# Altium PCB SmallHat_V2.PcbDoc (part 1 of 2)
Units mil, origin at the board's own origin, x right, y up, seen from the top; angles counter-clockwise.
Board outline 2559.06 x 2204.72 mil, 2 copper layers (Top Layer, Bottom Layer); 83 components, 99 nets, 402 pads, 279 vias.
Unrouted connection lines stored in the file: 1.
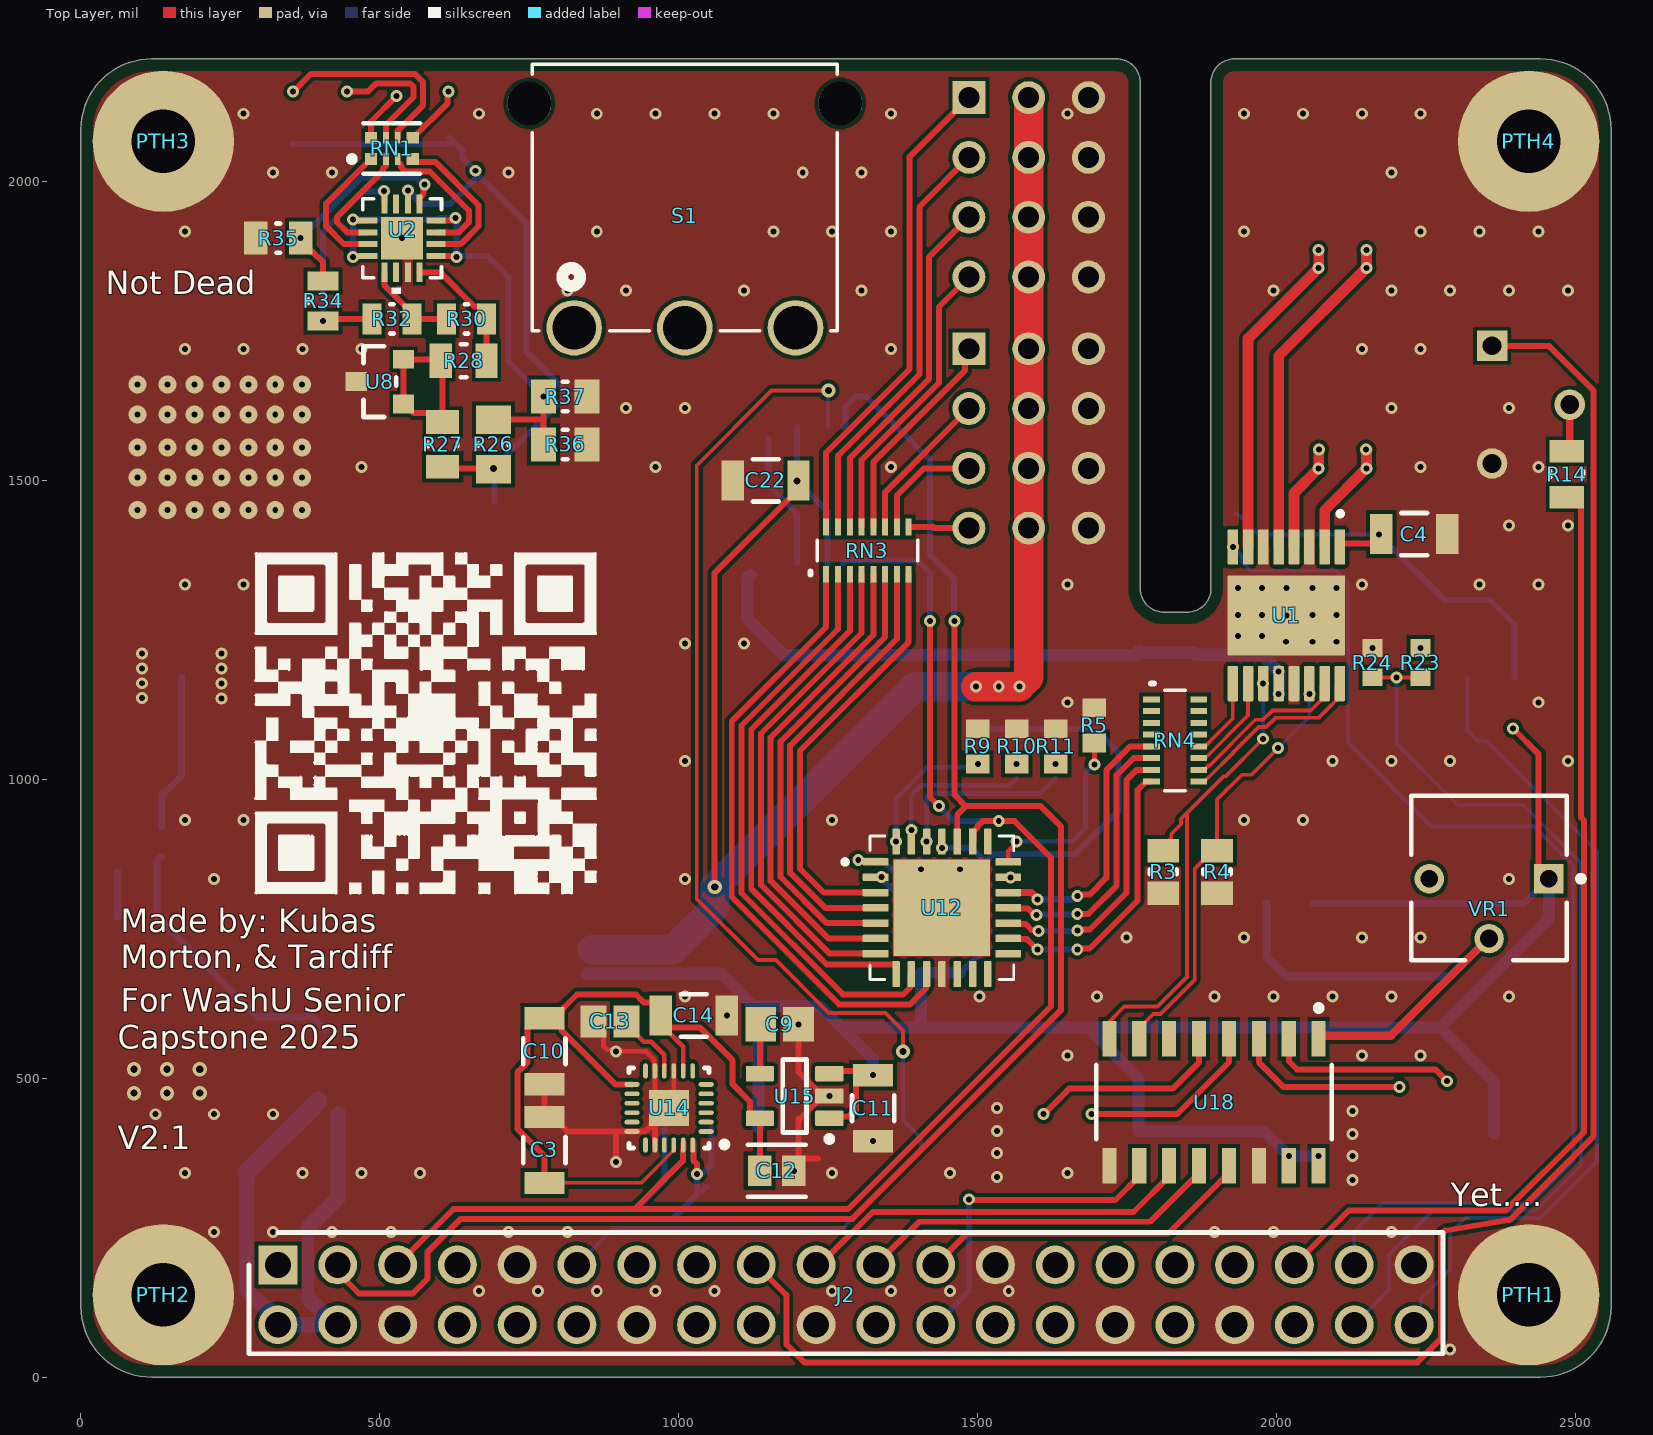
[diagram p0: Top Layer view]
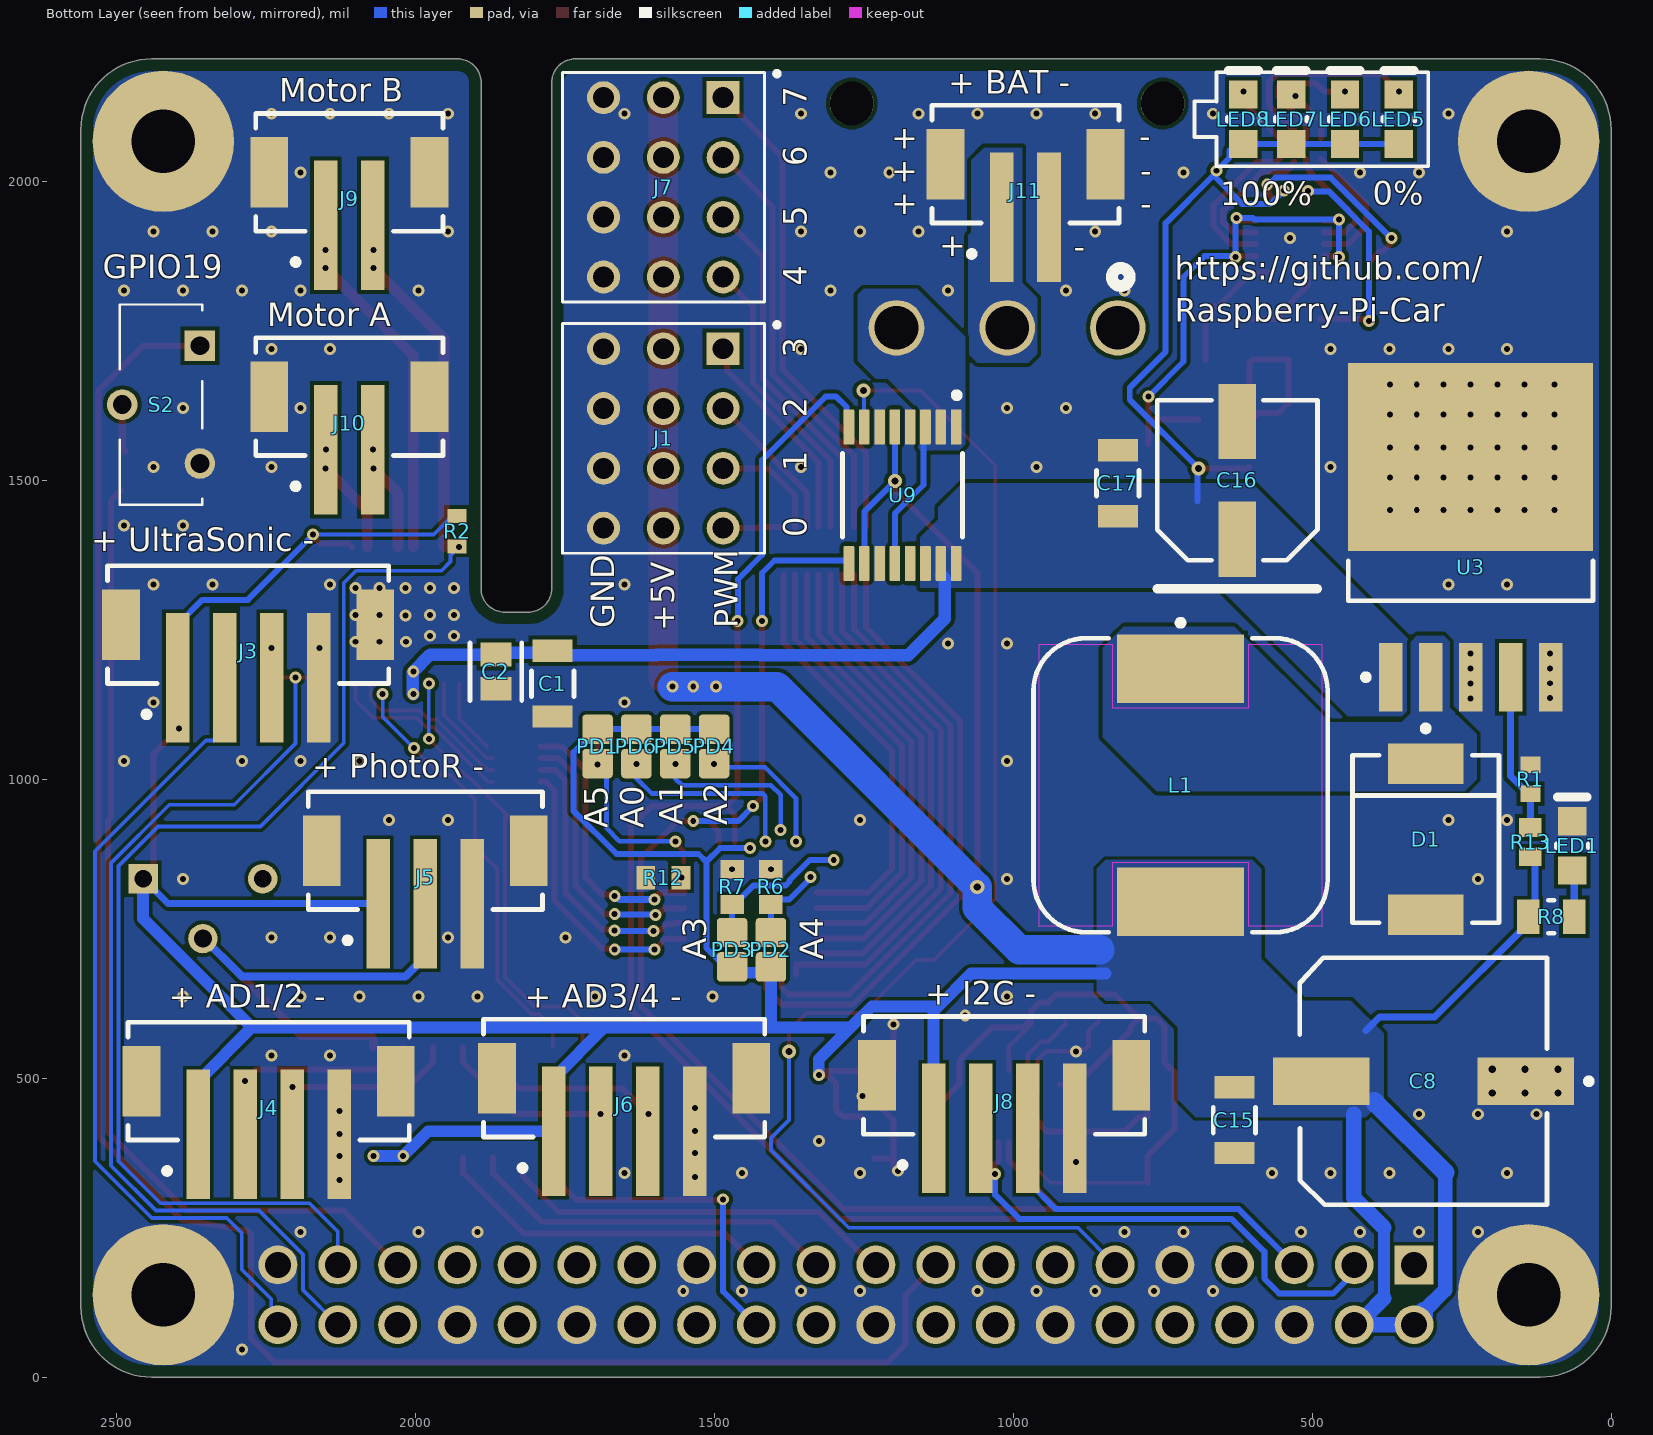
[diagram p1: Bottom Layer view, seen from below]
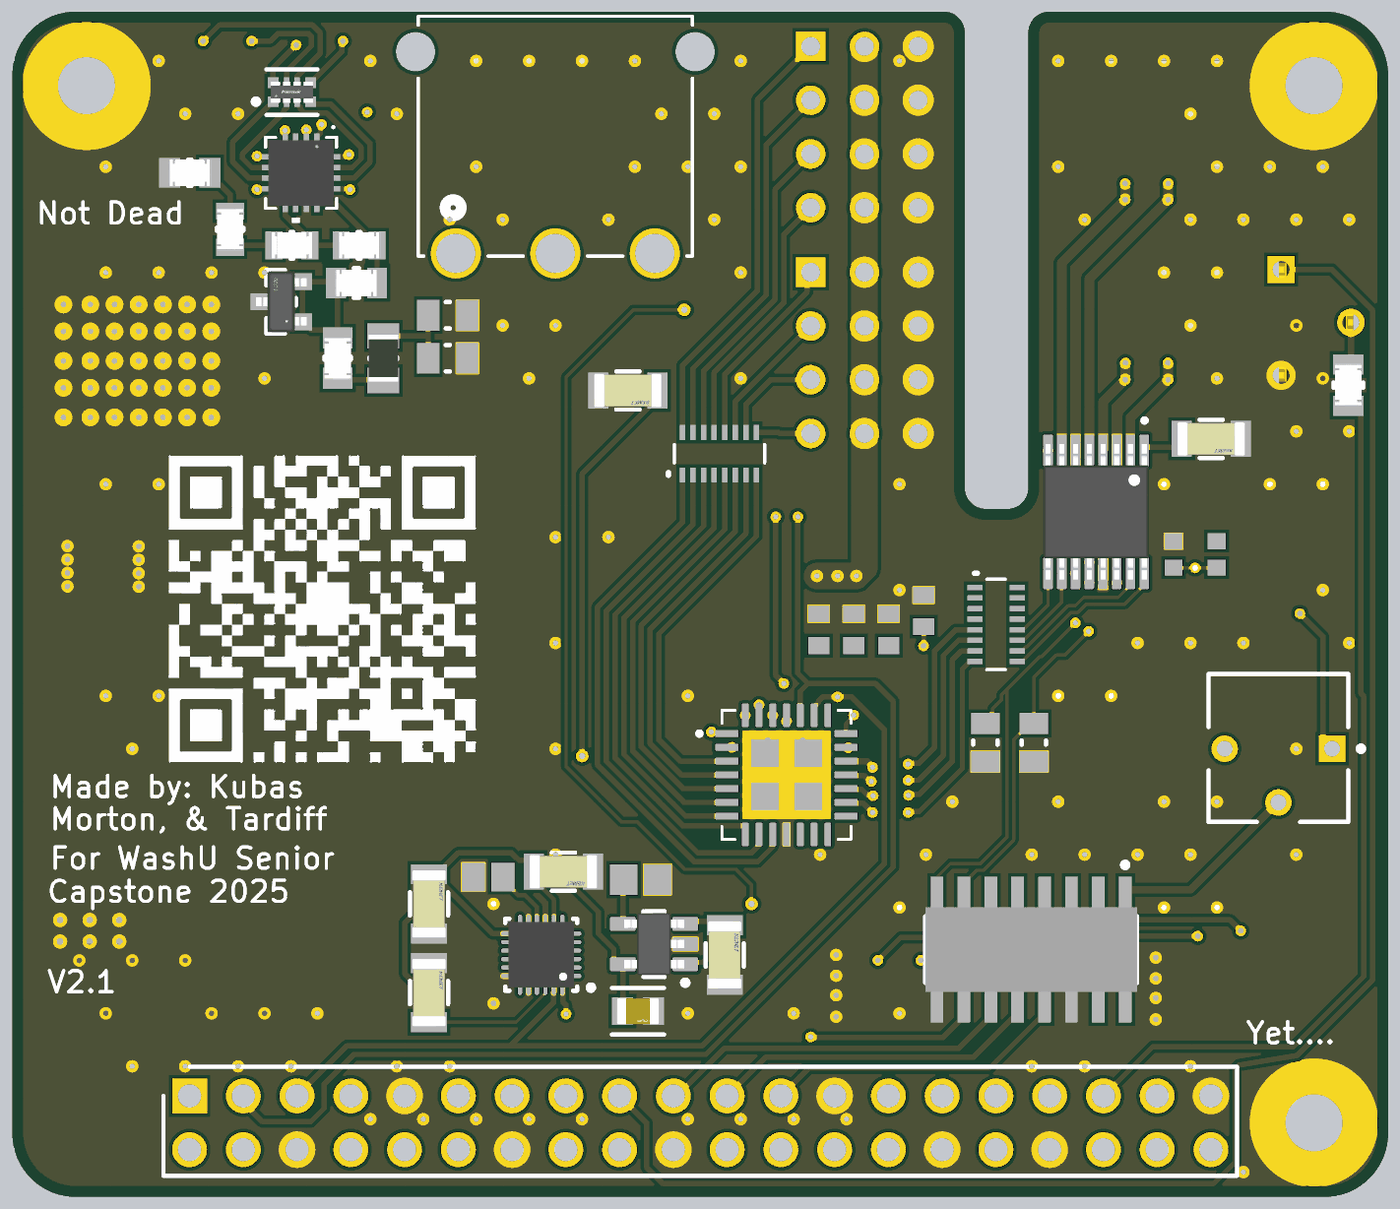
[diagram p3: 3D render of the assembled board from above, using the file's embedded part models]

## Layer stack, top to bottom
Top Solder: solder mask 0.4, Solder Resist, Dk 3.5
Top Layer: signal copper 1.4
Dielectric 1: dielectric 12.6, FR-4, Dk 4.8
Bottom Layer: signal copper 1.4
Bottom Solder: solder mask 0.4, Solder Resist, Dk 3.5

## Board outline
0,118.11 ccw(c118.11,118.11) 118.11,0 2440.94,0 ccw(c2440.94,118.11) 2559.06,118.11 2559.06,2086.61 ccw(c2440.94,2086.61) 2440.94,2204.72 1929.13,2204.72 ccw(c1929.13,2165.35) 1889.76,2165.35 1889.76,1318.9 cw(c1850.39,1318.9) 1850.39,1279.53 1811.02,1279.53 cw(c1811.02,1318.9) 1771.65,1318.9 1771.65,2165.35 ccw(c1732.28,2165.35) 1732.28,2204.72 118.11,2204.72 ccw(c118.11,2086.61) 0,2086.61

## Design rules (kind name [scope] priority, off if disabled: settings)
BoardOutlineClearance [All] p1: gap=20 ignorepadtopadclearanceinfootprint=FALSE
Clearance [All] p1: gap=6.3 ignorepadtopadclearanceinfootprint=FALSE except(4: Arc-SMDPad Track-SMDPad SMDPad-SMDPad; 6: Arc-Arc Arc-Track Track-Track)
HoleSize [All] p1: absolutevalues=TRUE maxlimit=262.6 minlimit=1 maxpercent=80.000 minpercent=20.000
MinimumSolderMaskSliver [All] p1: minsoldermaskwidth=1.97
PlaneConnect [All] p1: planeconnectstyle=Direct reliefexpansion=20 reliefentries=4 reliefconductorwidth=10 reliefairgap=10
PolygonConnect [All] p1: connectstyle=Direct reliefconductorwidth=10 reliefentries=4 polygonreliefangle="90 Angle" airgapwidth=10
RoutingVias [All] p1: holewidth=10 width=20 viastyle="Through Hole" minholewidth=10 minwidth=20 maxholewidth=248.03 maxwidth=314.96
SilkToSolderMaskClearance [IsPad] p1: minsilkscreentomaskgap=5.91 clearancetoexposedcopper=TRUE
SolderMaskExpansion [All] p1: expansion=1.5 istentingtop=FALSE
SupplyNets "Schematic Supply Nets_3" [InNet('5V')] p1: voltage=0.000
SupplyNets "Schematic Supply Nets_2" [InNet('GND')] p2: voltage=0.000
SupplyNets "Schematic Supply Nets_1" [InNet('BM+')] p3: voltage=0.000
SupplyNets "Schematic Supply Nets" [InNet('3.3V')] p4: voltage=0.000
Width [All] p1: maxlimit=78.74 minlimit=3.94 preferedwidth=10
26 further rules are at their usual default settings.

## Components (designator, comment, footprint, x,y, rotation, side; value= is the part's Value field where it differs from the comment)
C1 "0.1uF" FP-C1206C-EB-MFG 1770,1160 r270 bottom value="0.10 μF"
C2 "10uF" FP-GRM21B-0_15-IPC_C 1865,1180 r270 bottom
C3 "0.1uF" FP-C1206C-EB-MFG 775,380 r270 top value="0.10 μF"
C4 "0.1uF" FP-C1206C-EB-MFG 2230,1410 r180 top value="0.10 μF"
C8 "220uF" FP-FKG-MFG 313.74,495 r0 bottom
C9 "10nF" CAPC2013X100X50NL20T25 1168.62,590.28 r180 top
C10 "0.1uF" FP-C1206C-EB-MFG 775,545 r270 top value="0.10 μF"
C11 "0.1uF" FP-C1206C-EB-MFG 1325,450 r270 top value="0.10 μF"
C12 "10uF" FP-GRM21B-0_15-IPC_C 1163.62,345.28 r0 top
C13 "1uF" CAPC2013X140X50LL20T25 885,595 r180 top
C14 "0.1uF" FP-C1206C-EB-MFG 1025,605 r180 top value="0.10 μF"
C15 "0.1uF" FP-C1206C-EB-MFG 630,430 r270 bottom value="0.10 μF"
C16 "100uF" PNSC-FK-V-D8_V 625,1500 r90 bottom
C17 "0.1uF" FP-C1206C-EB-MFG 825,1495 r90 bottom value="0.10 μF"
C22 "0.1uF" FP-C1206C-EB-MFG 1145,1500 r180 top value="0.10 μF"
D1 "SS34-E3/57T" FP-95402-MFG 310,900 r270 bottom
J1 "5-103817-2" TE_5-103817-2 1585,1570 r270 bottom
J2 "PRT-16764" RHDR40W64P254_2X20_5130X500X1375P 1279.53,137.8 r0 top locked
J3 "B4B-PH-SM4-TB" FP-B4B-PH-SM4-TB-MFG 2279.37,1258.58 r180 bottom
J4 "B4B-PH-SM4-TB" FP-B4B-PH-SM4-TB-MFG 2245,495 r180 bottom
J5 "B3B-PH-SM4-TBT(LF)(SN)" FP-B3B-PH-SM4-TBT_LF_SN-MFG 1983.05,880.66 r180 bottom
J6 "B4B-PH-SM4-TB" FP-B4B-PH-SM4-TB-MFG 1650.55,500 r180 bottom
J7 "5-103817-2" TE_5-103817-2 1585,1990 r270 bottom
J8 "B4B-PH-SM4-TB" FP-B4B-PH-SM4-TB-MFG 1015,505 r180 bottom
J9 "B2B-PH-SM4-TB(LF)(SN)" FP-B2B-PH-SM4-TB_LF_SN-MFG 2110,2015 r180 bottom
J10 "B2B-PH-SM4-TB(LF)(SN)" FP-B2B-PH-SM4-TB_LF_SN-MFG 2110,1640 r180 bottom
J11 "B2B-PH-SM4-TB(LF)(SN)" FP-B2B-PH-SM4-TB_LF_SN-MFG 979.37,2028.58 r180 bottom
L1 "744770147" WE-PD_1280 720,990 r0 bottom
LED1 "HSMS-C170" HSMS-C170-Footprint-1 65,930 r270 bottom
LED5 "HSMS-C170" HSMS-C170-Footprint-1 355,2145 r270 bottom
LED6 "HSMS-C170" HSMS-C170-Footprint-1 445,2145 r270 bottom
LED7 "HSMS-C170" HSMS-C170-Footprint-1 535,2145 r270 bottom
LED8 "HSMS-C170" HSMS-C170-Footprint-1 615,2145 r270 bottom
PD1 "0805 Solder pads, 51mil x 28mil, Gap 47 mil" "0805 Solder Pads" 1695,1055 r90 bottom
PD2 "0805 Solder pads, 51mil x 28mil, Gap 47 mil" "0805 Solder Pads" 1405,715 r270 bottom
PD3 "0805 Solder pads, 51mil x 28mil, Gap 47 mil" "0805 Solder Pads" 1470,715 r270 bottom
PD4 "0805 Solder pads, 51mil x 28mil, Gap 47 mil" "0805 Solder Pads" 1500,1055 r90 bottom
PD5 "0805 Solder pads, 51mil x 28mil, Gap 47 mil" "0805 Solder Pads" 1565,1055 r90 bottom
PD6 "0805 Solder pads, 51mil x 28mil, Gap 47 mil" "0805 Solder Pads" 1630,1055 r90 bottom
PTH1 "Mounting Hole (2.7/6 mm)" "New footprint 1"#1 2470.75,137.8 r0 top
PTH2 "Mounting Hole (2.7/6 mm)" "New footprint 1"#2 80.75,-769.25 r0 top
PTH3 "Mounting Hole (2.7/6 mm)" "New footprint 1"#3 80.75,1110.75 r0 top
PTH4 "Mounting Hole (2.7/6 mm)" "New footprint 1"#4 2350.75,1130.75 r0 top
R1 "ERJ-3EKF3741V" RESC1608X55X30LL15T15 135,1000 r90 bottom
R2 "10k" RESC1608X55X25LL10T15 1930,1415 r270 bottom
R3 "12.4k" RESC2013X60X35NL10T20 1810,845 r90 top
R4 "12.4k" RESC2013X60X35NL10T20 1900,845 r90 top
R5 "10k" RESC1608X55X25ML10T15 1695,1090 r270 top
R6 "10k" RESC1608X55X25ML10T15 1405,820 r270 bottom
R7 "10k" RESC1608X55X25ML10T15 1470,820 r270 bottom
R8 "2K" FP-CRCW0805-e3-MFG 100,770 r180 bottom
R9 "10k" RESC1608X55X25ML10T15 1500,1055 r270 top
R10 "10k" RESC1608X55X25ML10T15 1565,1055 r270 top
R11 "10k" RESC1608X55X25ML10T15 1630,1055 r270 top
R12 "10k" RESC1608X55X25ML10T15 1585,835 r180 bottom
R13 "1.13k" RESC1609X50X30NL10T20 135,895 r90 bottom
R14 "2K" FP-CRCW0805-e3-MFG 2485,1510 r270 top
R23 "1k" RESC1609X55X30LL10T20 2240,1195 r270 top
R24 "2k" RESC1609X55X30LL10T20 2160,1195 r90 top
R26 "36K" RESC2113X50X35ML15T15 690,1560 r270 top
R27 "2K" FP-CRCW0805-e3-IPC_B 605,1560 r90 top
R28 "27K" FP-CRCW0805-e3-MFG 640,1700 r0 top
R30 "3K" FP-CRCW0805-e3-IPC_C 645,1770 r180 top
R32 "3K" FP-CRCW0805-e3-IPC_C 520,1770 r180 top
R34 "3K" FP-CRCW0805-e3-IPC_C 405,1800 r90 top
R35 "33K" FP-CRCW0805-e3-IPC_B 330,1905 r180 top
R36 "18K" RESC2013X50X30NL20T20 810,1560 r180 top
R37 "18K" RESC2013X50X30NL20T20 810,1640 r180 top
RN1 "EXB-28V103JX" FP-EXB28V-MFG 520,2055 r0 top
RN3 "YC248-JR-07100RL" YC248-JR-07100RL-Footprint-2 1246.45,1342.84 r90 top value=100
RN4 "YC248-JR-07100RL" YC248-JR-07100RL-Footprint-2 1790.32,1133.74 r0 top value=100
S1 "1101M2S3AQE2" 1101M2S3AQE2-Footprint-1 824.92,1755 r180 top
S2 "CL-SB-12C-02" CL-SB-12C-02-Footprint-1 2360,1725 r270 bottom
U1 "DRV8411APWPR" IC_DRV8411APWPR 2016.02,1274.17 r270 top
U2 "LM324QT" LM324QT-Footprint-1 537,1904.84 r270 top
U3 "LM2596S-ADJ" TS5B_L 235,1405 r90 bottom
U8 "TL431ASA-7" FP-SOT23-MFG 500,1665 r180 top
U9 "INA260AIPWR" FP-PW0016A-MFG 1185,1475 r270 bottom
U12 "PCA9685BS,118" QFN65P600X600X100-29N 1440,785 r0 top
U14 "ICM-20948" TDK-QFN-24_L 983.62,450.28 r180 top
U15 "TPS79318DBVR" DBV0005A_M 1193.62,470.28 r180 top
U18 "MCP3008T-I/SL" FP-C04-108-MFG 1895,460 r270 top
VR1 "3362P-1-103LF" BOUR-3362P 2355,835 r180 top

## Footprints (in the part's own frame and the unit in brackets; to place one, negate y for a bottom-side part, rotate by r counter-clockwise, add the part's x,y. Pads: shape width x height; smd on the part's side, far side on the other; paste and mask are expansions set on the pad)
"0805 Solder Pads" [mil] "0805 Solder Pads, 51mil x 28mil, Gap 47mil"
  rrect25% 49.21x51 smd: 1(-28.76,0) 2(28.75,0)
1101M2S3AQE2-Footprint-1 [mil]
  round 93 / inner round 60 / far side round 93 hole 73 paste-99999 mask+0: 1(0,0) 2(-185.04,0) 3(-370.08,0)
  round 73 / inner round 60 / far side round 73 hole 73 unplated paste-99999 mask-36.5: 4(-445.08,-375.2) 5(75,-375.2)
  silkscreen extent -440,-441 70,5
BOUR-3362P [mm] "THD, 3-Leads, Body 6.6x6.99mm, Pitch 2.54mm"
  rect 1.25x1.25 hole 0.75: 1(-2.54,0.035)
  round 1.25 hole 0.75: 2(0,2.575) 3(2.54,0.035)
  silkscreen extent -4.03,-3.49 3.3,3.5, body extent -3.3,-3.49 3.3,3.49, height 4.95
CAPC2013X100X50NL20T25 [mm] "Chip Capacitor, 2-Leads, Body 2.00x1.25mm, IPC Medium Density"
  rect 1.3x1.45 smd: 1(-0.8,0) 2(0.8,0)
  body extent -1.1,-0.72 1.1,0.72, height 1
CAPC2013X140X50LL20T25 [mm] "Chip Capacitor, 2-Leads, Body 2.00x1.25mm, IPC High Density"
  rect 1.1x1.35 smd: 1(-0.7,0) 2(0.7,0)
  body extent -1.1,-0.72 1.1,0.72, height 1.4
CL-SB-12C-02-Footprint-1 [mm]
  rect 1.3x1.3 hole 0.8: 1(0,0)
  round 1.3 hole 0.8: 2(2.5,-3.3) 3(5,0)
  silkscreen extent -1.75,-3.4 6.75,0.1, body extent -1.75,-3.4 6.75,0.1, height 6.26
DBV0005A_M [mm] "SOT23, 5-Leads, Body 3.05x1.75mm, Pitch 0.95mm, IPC Low Density"
  rrect15% 1.2x0.65 smd: 1(-1.475,0.95) 2(-1.475,0) 3(-1.475,-0.95) 4(1.475,-0.95) 5(1.475,0.95)
  silkscreen extent -1.6,-1.55 0.5,1.95, body extent -1.42,-1.46 1.42,1.46, height 1.08
FP-95402-MFG [mm]
  rect 1.72x3.2 smd paste+0 mask+0: 1(-3.205,0) 2(3.205,0)
  silkscreen extent -4.82,-3.11 3.55,3.11, body extent -3.97,-2.95 3.97,2.95, height 2.62
FP-B2B-PH-SM4-TB_LF_SN-MFG [mm]
  rect 1x5.5 smd paste+0 mask+0: 1(-1,-2.25) 2(1,-2.25)
  rect 1.6x3 smd paste+0 mask+0: 3(-3.4,0) 4(3.4,0)
  silkscreen extent -3.98,-3.93 3.98,2.5, body extent -3.98,-4.5 3.98,2.5, height 6.6
FP-B3B-PH-SM4-TBT_LF_SN-MFG [mm]
  rect 1x5.5 smd paste+0 mask+0: 1(-2,-2.25) 2(0,-2.25) 3(2,-2.25)
  rect 1.6x3 smd paste+0 mask+0: 4(-4.4,0) 5(4.4,0)
  silkscreen extent -4.97,-3.93 4.97,2.5, body extent -4.97,-4.5 4.97,2.5, height 6.6
FP-B4B-PH-SM4-TB-MFG [mm]
  rect 1x5.5 smd paste+0 mask+0: 1(-3,-2.25) 2(-1,-2.25) 3(1,-2.25) 4(3,-2.25)
  rect 1.6x3 smd paste+0 mask+0: 5(-5.4,0) 6(5.4,0)
  silkscreen extent -5.97,-3.93 5.97,2.5, body extent -5.97,-4.5 5.97,2.5, height 6.78
FP-C04-108-MFG [mm]
  rect 1.5x0.6 smd paste+0 mask+0: 1(-2.7,4.445) 2(-2.7,3.175) 3(-2.7,1.905) 4(-2.7,0.635) 5(-2.7,-0.635) 6(-2.7,-1.905) 7(-2.7,-3.175) 8(-2.7,-4.445) 9(2.7,-4.445) 10(2.7,-3.175) 11(2.7,-1.905) 12(2.7,-0.635) 13(2.7,0.635) 14(2.7,1.905) 15(2.7,3.175) 16(2.7,4.445)
  silkscreen extent -4.12,-5 1.58,5, body extent -3.55,-5.25 3.55,5.25, height 0.25
FP-C1206C-EB-MFG [mm]
  rect 0.95x1.7 smd paste+0 mask+0: 1(-1.4,0) 2(1.4,0)
  silkscreen extent -0.55,-0.9 0.55,0.9, body extent -1.6,-0.8 1.6,0.8, height 0.88
FP-CRCW0805-e3-IPC_B [mil]
  rect 39.63x55.44 smd paste+0 mask+0: 1(-37.44,0) 2(37.44,0)
  silkscreen extent -3,-25 3,25, body extent -39,-25 39,25, height 20
FP-CRCW0805-e3-IPC_C [mil]
  rect 31.75x51.5 smd paste+0 mask+0: 1(-33.5,0) 2(33.5,0)
  silkscreen extent -3,-25 3,25, body extent -39,-25 39,25, height 20
FP-CRCW0805-e3-MFG [mm]
  rect 0.95x1.45 smd paste+0 mask+0: 1(-0.975,0) 2(0.975,0)
  silkscreen extent -0.13,-0.7 0.13,0.7, body extent -1,-0.63 1,0.63, height 0.5
FP-EXB28V-MFG [mm]
  rect 0.525x0.5 smd paste+0 mask+0: 1(-0.887,-0.45) 4(0.887,-0.45) 5(0.887,0.45) 8(-0.887,0.45)
  rect 0.25x0.5 smd paste+0 mask+0: 2(-0.25,-0.45) 3(0.25,-0.45) 6(0.25,0.45) 7(-0.25,0.45)
  silkscreen extent -1.82,-1.07 1.2,1.07, body extent -1.25,-0.8 1.25,0.8, height 0.25
FP-FKG-MFG [mm]
  rect 4.1x2 smd paste+0 mask+0: 1(-4.35,0) 2(4.35,0)
  silkscreen extent -7.15,-5.25 5.25,5.25, body extent -6,-5.15 6,5.15, height 10.5
FP-GRM21B-0_15-IPC_C [mil]
  rect 39.6x51.5 smd paste+0 mask+0: 1(-28.59,0) 2(28.59,0)
  silkscreen extent -48,-43 48,43, body extent -39,-25 39,25, height 55
FP-PW0016A-MFG [mm]
  rrect22% 1.5x0.45 smd paste+0 mask+0: 1(-2.9,2.275) 2(-2.9,1.625) 3(-2.9,0.975) 4(-2.9,0.325) 5(-2.9,-0.325) 6(-2.9,-0.975) 7(-2.9,-1.625) 8(-2.9,-2.275) 9(2.9,-2.275) 10(2.9,-1.625) 11(2.9,-0.975) 12(2.9,-0.325) 13(2.9,0.325) 14(2.9,0.975) 15(2.9,1.625) 16(2.9,2.275)
  silkscreen extent -4.37,-2.55 1.78,2.55, body extent -3.2,-2.5 3.2,2.5, height 1.2
FP-SOT23-MFG [mm]
  rect 0.9x0.8 smd paste+0 mask+0: 1(-1,0.95) 2(-1,-0.95) 3(1,0)
  silkscreen extent -0.7,-1.5 0.7,1.5, body extent -1.2,-1.45 1.2,1.45, height 1.1
HSMS-C170-Footprint-1 [mm]
  rect 1.2x1.2 smd paste+0 mask+0: 1(0,0) 2(2.1,0)
  silkscreen extent -1.02,-0.67 1.13,0.67
IC_DRV8411APWPR [mm]
  rrect22% 1.5x0.45 smd paste-2 mask+0: 1(-2.9,2.275) 2(-2.9,1.625) 3(-2.9,0.975) 4(-2.9,0.325) 5(-2.9,-0.325) 6(-2.9,-0.975) 7(-2.9,-1.625) 8(-2.9,-2.275) 9(2.9,-2.275) 10(2.9,-1.625) 11(2.9,-0.975) 12(2.9,-0.325) 13(2.9,0.325) 14(2.9,0.975) 15(2.9,1.625) 16(2.9,2.275)
  rrect3% 3.4x5 smd paste-3 mask+0: 17(0,0)
  silkscreen extent -4.42,2.19 -4.22,2.39, body extent -3.2,-2.5 3.2,2.5, height 1.2
LM324QT-Footprint-1 [mil]
  rect 32x10 smd paste+0 mask+0: 1(-57,29.53) 2(-57,9.84) 3(-57,-9.84) 4(-57,-29.53) 9(57,-29.53) 10(57,-9.84) 11(57,9.84) 12(57,29.53)
  rect 10x32 smd paste+0 mask+0: 5(-29.53,-57) 6(-9.84,-57) 7(9.84,-57) 8(29.53,-57) 13(29.53,57) 14(9.84,57) 15(-9.84,57) 16(-29.53,57)
  rect 71x71 smd paste+0 mask+0: 17(0,0)
  round 7.87 on Top Overlay: ""(-85,60)
  round 7.87 on Mech1: ""(-85,60)
  silkscreen extent -66,-66 93,66, body extent -61,-61 61,61, height 39
"New footprint 1"#1 [mm]
  round 6 hole 2.7: 0(-1.257,0)
"New footprint 1"#2 [mm]
  round 6 hole 2.7: 0(1.449,23.039)
"New footprint 1"#3 [mm]
  round 6 hole 2.7: 0(1.449,24.287)
"New footprint 1"#4 [mm]
  round 6 hole 2.7: 0(1.791,23.779)
PNSC-FK-V-D8_V [mm] "CAPAE, 2-Leads, Body 6.80x6.80mm"
  rect 3.2x1.6 smd: 1(-2.5,0) 2(2.5,0)
  silkscreen extent -4.6,-3.4 3.4,3.4, body extent -3.9,-3.4 3.9,3.4, height 8
QFN65P600X600X100-29N [mm]
  rrect25% 1.1x0.32 smd: 1(-2.815,1.95) 2(-2.815,1.3) 3(-2.815,0.65) 4(-2.815,0) 5(-2.815,-0.65) 6(-2.815,-1.3) 7(-2.815,-1.95) 15(2.815,-1.95) 16(2.815,-1.3) 17(2.815,-0.65) 18(2.815,0) 19(2.815,0.65) 20(2.815,1.3) 21(2.815,1.95)
  rrect25% 0.32x1.1 smd: 8(-1.95,-2.815) 9(-1.3,-2.815) 10(-0.65,-2.815) 11(0,-2.815) 12(0.65,-2.815) 13(1.3,-2.815) 14(1.95,-2.815) 22(1.95,2.815) 23(1.3,2.815) 24(0.65,2.815) 25(0,2.815) 26(-0.65,2.815) 27(-1.3,2.815) 28(-1.95,2.815)